# Altium PCB ATM1099C-0627-ssy-1.brd.PcbDoc (part 1 of 4) (continued)
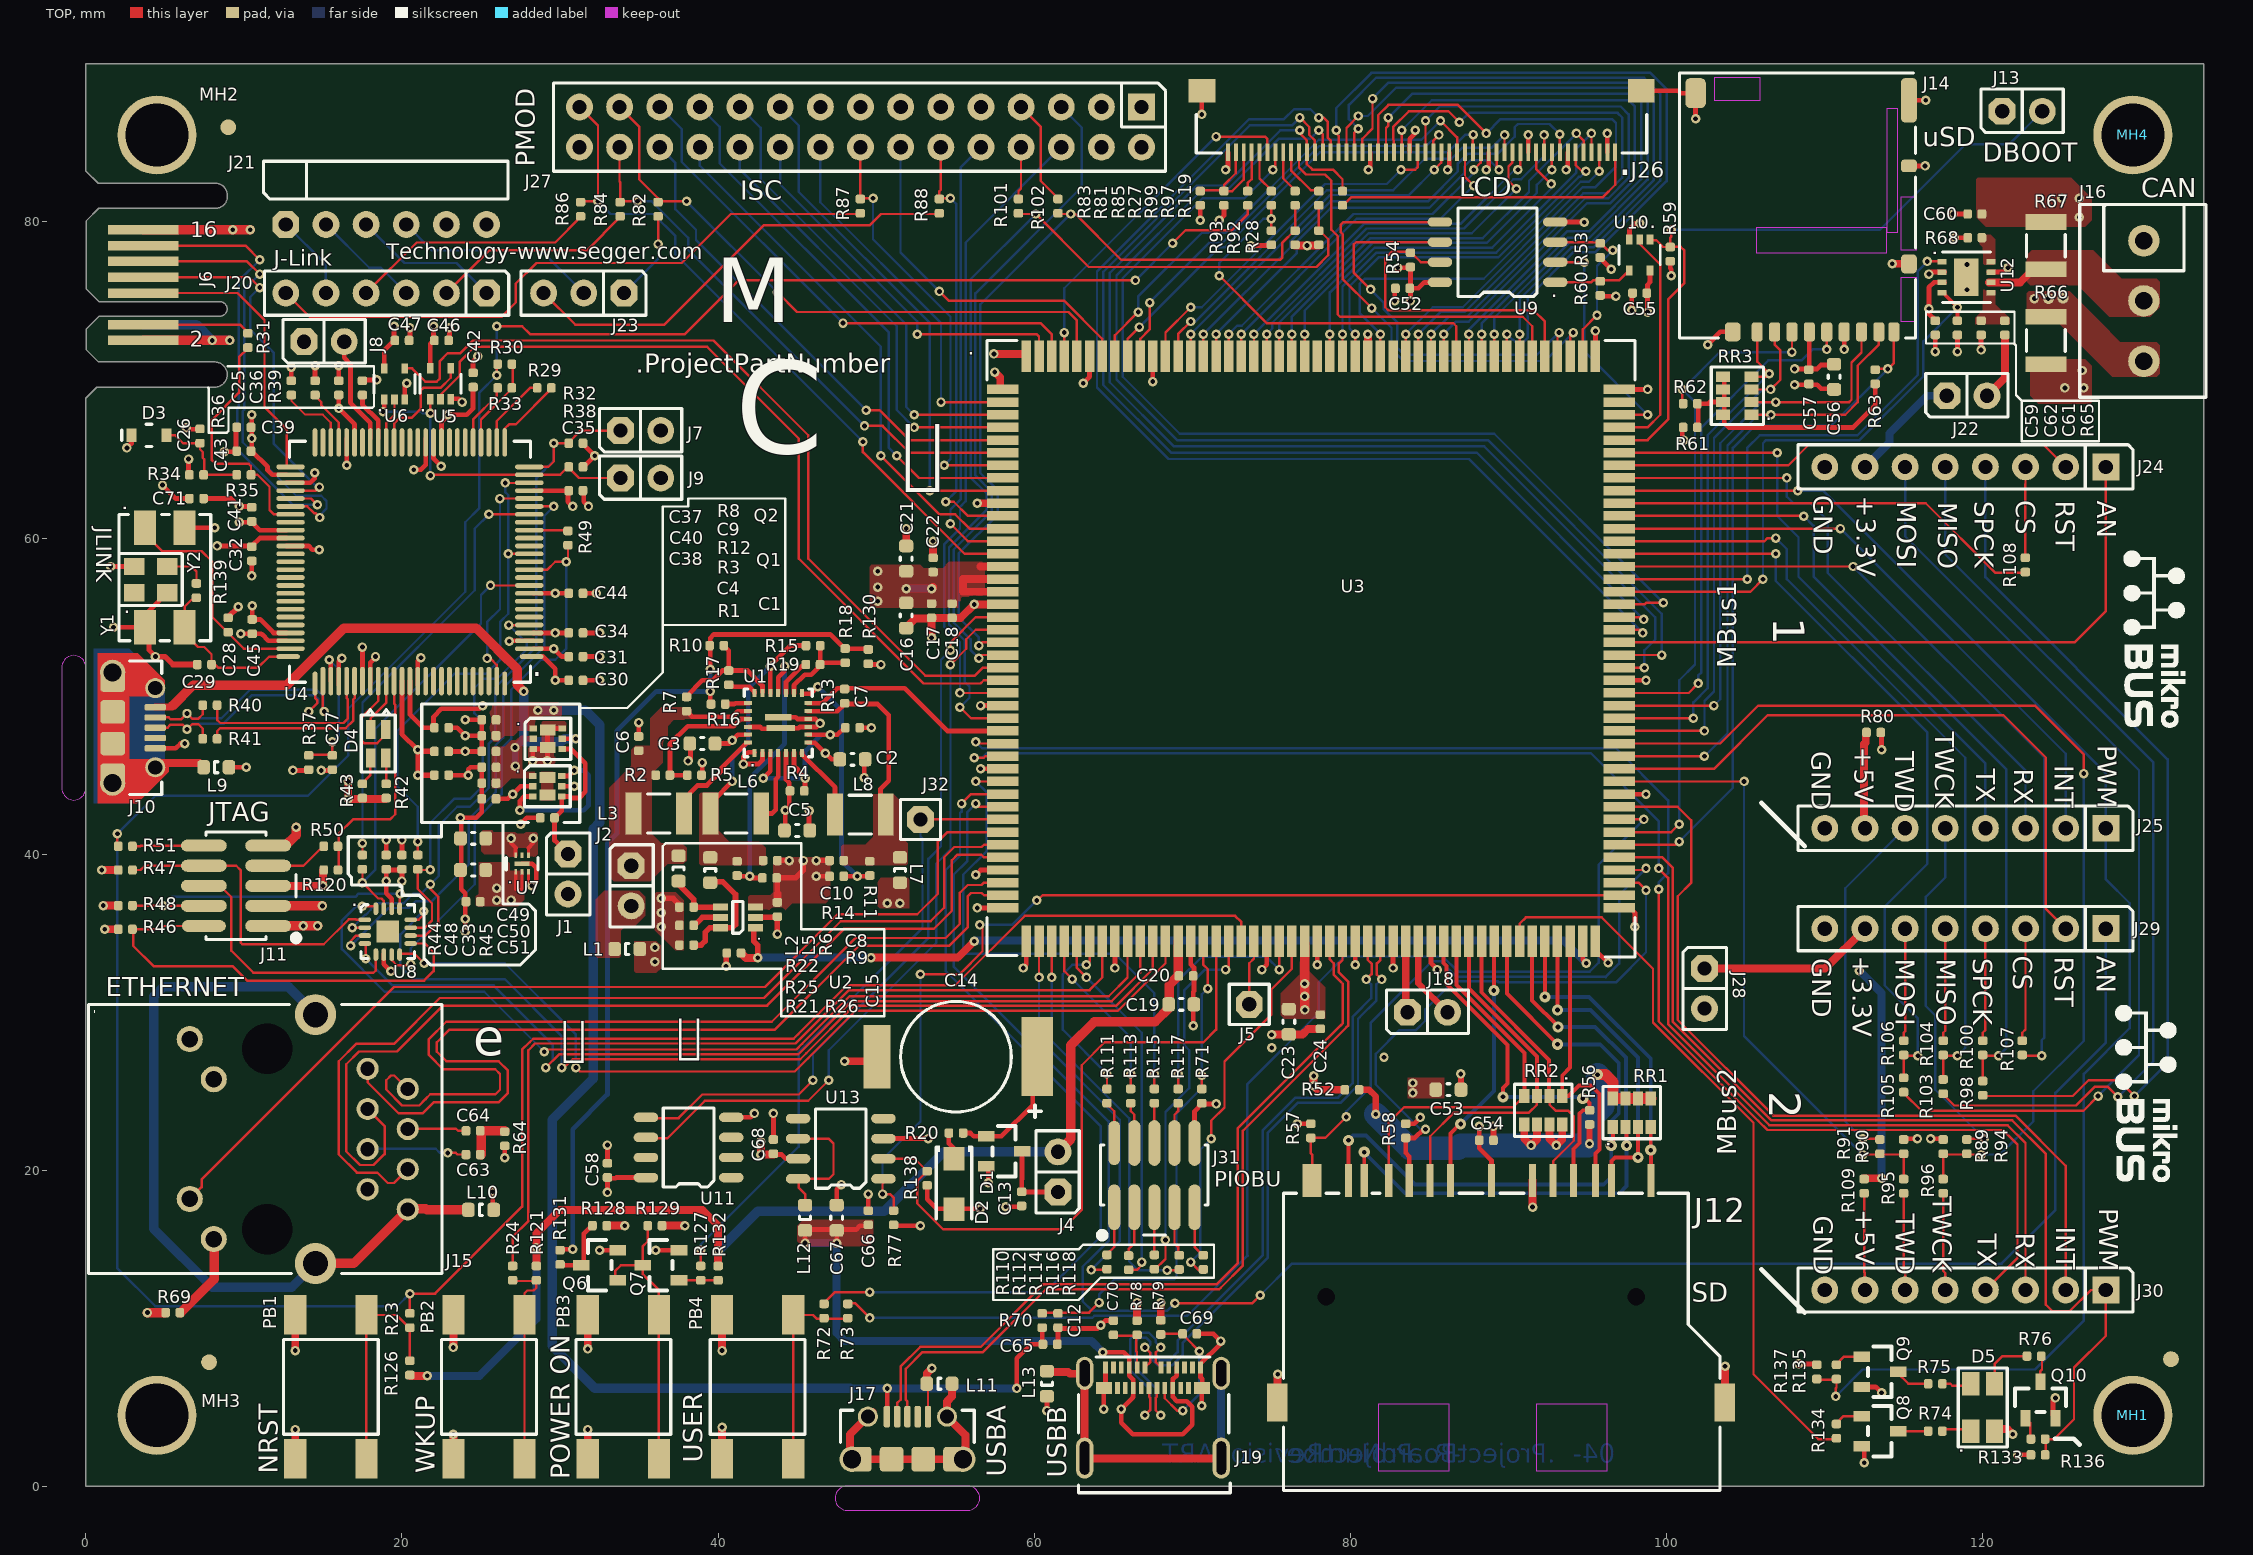
[diagram p0: TOP view]
## Footprints (in the part's own frame and the unit in brackets; to place one, negate y for a bottom-side part, rotate by r counter-clockwise, add the part's x,y. Pads: shape width x height; smd on the part's side, far side on the other; paste and mask are expansions set on the pad) (continued)
  silkscreen extent -20.5,-19.5 20.5,19.5, body extent -20,-19 20,19, height 1.21
OSCILLATOR_ASE [mm]
  rect 1.3x1.1 smd: 1(-1.05,-0.825) 2(1.05,-0.825) 3(1.05,0.825) 4(-1.05,0.825)
  silkscreen extent -2,-1.65 2,1.65, body extent -1.7,-1.35 1.7,1.35, height 1
PLCC-4_CLV1A-FKB [mm] "PLCC4 3 in 1 SMD LED"
  rect 1.5x1.1 smd: 1(-1.5,0.75) 2(-1.5,-0.75) 3(1.5,-0.75) 4(1.5,0.75)
  silkscreen extent -2.5,-1.55 2.5,1.55, body extent -1.75,-1.4 1.75,1.4, height 1.9
QFN-16_3X3_EP1.4X1.4 [mm] "QFN 16 pin P=0.5mm, L=3mm, W=3mm, H=0.9mm"
  oval 0.8x0.3 smd mask+0.05: 1(-1.45,0.75) 2(-1.45,0.25) 3(-1.45,-0.25) 4(-1.45,-0.75) 9(1.45,-0.75) 10(1.45,-0.25) 11(1.45,0.25) 12(1.45,0.75)
  oval 0.3x0.8 smd mask+0.05: 5(-0.75,-1.45) 6(-0.25,-1.45) 7(0.25,-1.45) 8(0.75,-1.45) 13(0.75,1.45) 14(0.25,1.45) 15(-0.25,1.45) 16(-0.75,1.45)
  rect 1.4x1.4 smd: 17(0,0)
  silkscreen extent -1.7,-1.7 1.7,1.7, body extent -1.5,-1.5 1.5,1.5, height 0.9
RES_C_0402 [mm] "Chip Resistor, 2-Leads, Body 1.0x0.5mm, IPC Medium Density"
  rrect50% 0.55x0.6 smd: 1(-0.45,0) 2(0.45,0)
  body extent -0.5,-0.3 0.5,0.3, height 0.2
RES_C_1210 [mm] "Chip Resistor, 2-Leads, Body 3.2x2.5mm, IPC Medium Density"
  rect 1x2.6 smd: 1(-1.5,0) 2(1.5,0)
  silkscreen extent -0.7,-1.22 0.7,1.23, body extent -1.55,-1.3 1.55,1.3, height 0.57
RES_C_CAV_0603X4 [mm]
  rect 0.9x0.65 smd: 1(-0.9,1.2) 2(-0.9,0.4) 3(-0.9,-0.4) 4(-0.9,-1.2) 5(0.9,-1.2) 6(0.9,-0.4) 7(0.9,0.4) 8(0.9,1.2)
  silkscreen extent -1.65,-1.83 1.65,1.83, body extent -0.92,-1.68 0.92,1.68, height 0.7
SC-70-6 [mm]
  rect 0.45x0.95 smd: 1(-0.65,-1.1) 2(0,-1.1) 3(0.65,-1.1) 4(0.65,1.1) 5(0,1.1) 6(-0.65,1.1)
  silkscreen extent -1,-0.33 1,0.33, body extent -1,-1.05 1,1.05, height 0.92
SOD-123FL [mm]
  rect 1.5x1.3 smd: 1(-1.6,0) 2(1.6,0)
  silkscreen extent -2.2,-1.15 2.45,1.15, body extent -1.93,-0.85 1.93,0.85, height 1.43
SOD-323 [mm] "Molded Diode, 2-Leads, Body 1.8x1.4mm, IPC Medium Density"
  rect 0.63x0.83 smd: 1(-1.115,0) 2(1.115,0)
  silkscreen extent -0.17,-0.7 1.73,0.7, body extent -1.3,-0.68 1.3,0.67, height 1.1
SOIC-8 [mm] "SOIC, 8-Leads, Overall 4.9x6mm, Pitch 1.27mm, IPC Medium Density"
  oval 1.55x0.6 smd: 1(-2.7,1.905) 2(-2.7,0.635) 3(-2.7,-0.635) 4(-2.7,-1.905) 5(2.7,-1.905) 6(2.7,-0.635) 7(2.7,0.635) 8(2.7,1.905)
  silkscreen extent -1.6,-2.5 1.6,2.5, body extent -3.01,-2.5 3.01,2.5, height 1.75
SOIJ-8 [mm] "SOIC, 8-Leads, Overall 4.9x6mm, Pitch 1.27mm, IPC Medium Density"
  oval 1.55x0.6 smd: 1(-3.65,1.905) 2(-3.65,0.635) 3(-3.65,-0.635) 4(-3.65,-1.905) 5(3.65,-1.905) 6(3.65,-0.635) 7(3.65,0.635) 8(3.65,1.905)
  silkscreen extent -2.5,-2.8 2.5,2.8, body extent -4.05,-2.73 4.05,2.73, height 1.75
SOT-23-3 [mm]
  rect 0.65x1.05 smd: 1(-0.95,-1.15) 2(0.95,-1.15) 3(0,1.15)
  silkscreen extent -1.6,-0.75 1.6,0.72, body extent -1.5,-1.25 1.5,1.25, height 1.09
SOT-23-3_REVERSED [mm]
  rect 0.65x1.05 smd: 1(0,1.15) 2(0.95,-1.15) 3(-0.95,-1.15)
  silkscreen extent -1.6,-0.75 1.6,0.72, body extent -1.5,-1.25 1.5,1.25, height 1.09
SOT-353 [mm]
  rect 0.42x0.65 smd paste+0: 1(-0.65,-0.98)
  rect 0.42x0.65 smd: 2(0,-0.98) 3(0.65,-0.98) 4(0.65,0.98) 5(-0.65,0.98)
  silkscreen extent -1.3,-0.6 1.3,0.6, body extent -1.1,-1.2 1.1,1.2, height 1.1
SW_SMD_6mmX6mm_TL3301 [mm]
  rect 2.5x1.4 smd: 1(-4.55,2.25) 2(4.55,2.25) 3(-4.55,-2.25) 4(4.55,-2.25)
  silkscreen extent -3,-3 3,3, body extent -5,-3 5,3, height 5.12
U-DFN2020-6_2.0x2.0 [mm]
  rect 0.47x0.4 smd mask+0.05: 1(-0.915,0.65) 2(-0.915,0) 3(-0.915,-0.65) 4(0.915,-0.65) 5(0.915,0) 6(0.915,0.65)
  rect 1x0.7 smd: 7(0,0.55) 8(0,-0.55)
  silkscreen extent -1.45,-1.3 1.45,1.3, body extent -1.05,-1 1.05,1, height 0.55
VQFN-26_4X4_MIC23451 [mm]
  rect 0.5x0.25 smd mask+0.075: 1(-1.9,1.5) 2(-1.9,1) 3(-1.9,0.5) 4(-1.9,0) 5(-1.9,-0.5) 6(-1.9,-1) 7(-1.9,-1.5) 14(1.9,-1.5) 15(1.9,-1) 16(1.9,-0.5) 17(1.9,0) 18(1.9,0.5) 19(1.9,1) 20(1.9,1.5)
  rect 0.4x1.8 smd mask+0.075: 1(-0.325,-0.15)
  rect 0.25x0.5 smd mask+0.075: 8(-1.25,-1.9) 9(-0.75,-1.9) 10(-0.25,-1.9) 11(0.25,-1.9) 12(0.75,-1.9) 13(1.25,-1.9) 21(1.25,1.9) 22(0.75,1.9) 23(0.25,1.9) 24(-0.25,1.9) 25(-0.75,1.9) 26(-1.25,1.9)
  rect 0.4x1.7 smd mask+0.075: 11(0.35,0)
  silkscreen extent -2.15,-2.15 2.15,2.15, body extent -2.05,-2.05 2.05,2.05, height 0.9

## Part data
C1 C4 C9 C12 C13 C15 C17 C18 C20 C22 C24 C30 C31 C32 C34 C35 C36 C37 C39 C40 C41 C42 C43 C44 C45 C46 C47 C48 C51 C52 C54 C55 C57 C58 C59 C61 C63 C64 C66 C68 C71: library part CAP1463, "Capacitor", Manufacturer 1="TDK Corporation", Manufacturer Part Number 1=C1005X7R1H104K050BB, Operating Temperature="-55C to +125C", Package=0402, Supplier Part Number 1=445-5932-1-ND, Temperature Coeffcient=X7R, Tolerance=10%, Voltage=50V, Category=Capacitor, ComponentLink1Description="SVN Datasheet", ComponentLink1URL=https://chn-vm-apps.microchip.com/mchprepo/parts/Datasheets/TDKMLCCCapRange.pdf, ComponentLink2Description="Local Datasheet", ComponentLink2URL=C:\ALTIUM_WORK\00001_MCHP-CDB\Datasheets\TDKMLCCCapRange.pdf, ComponentLink3Description="Open Symbol", ComponentLink3URL="C:\ALTIUM_WORK\00001_MCHP-CDB\Library\LibraryRefs\Capacitor NP.SchLib", ComponentLink4Description="Open Footprint", ComponentLink4URL=C:\ALTIUM_WORK\00001_MCHP-CDB\Library\Footprints\CAP_C_0402.PcbLib, ComponentLink5Description="Open Footprint 2", ComponentLink6Description="Open Footprint 3", ComponentLink7Description="Open Footprint 4", Description_="CAP CER 0.1uF 50V 10% X7R SMD 0402", Dev Tools Status=Production, MCHP-ID=CAP1463, Owner="Jamus Griego", Populated=YES, Quantity Override=1, Revision=1, Status="MCL Design", Supplier 1=Digi-Key, Symbol="Capacitor NP", Type=Ceramic
C2 C3 C5 C53 C56 C67: library part CAP1650, "Capacitor", Manufacturer 1="TDK Corporation", Manufacturer Part Number 1=C1608X5R1E106M080AC, Operating Temperature="-55C to +85C", Package=0603, Supplier Part Number 1=2521968, Temperature Coeffcient=X5R, Tolerance=20%, Voltage=25V, Category=Capacitor, ComponentLink1Description="SVN Datasheet", ComponentLink1URL=https://chn-vm-apps.microchip.com/mchprepo/parts/Datasheets/1913358.pdf, ComponentLink2Description="Local Datasheet", ComponentLink2URL=C:\ALTIUM_WORK\00001_MCHP-CDB\Datasheets\1913358.pdf, ComponentLink3Description="Open Symbol", ComponentLink3URL="C:\ALTIUM_WORK\00001_MCHP-CDB\Library\LibraryRefs\Capacitor NP.SchLib", ComponentLink4Description="Open Footprint", ComponentLink4URL=C:\ALTIUM_WORK\00001_MCHP-CDB\Library\Footprints\CAP_C_0603.PcbLib, ComponentLink5Description="Open Footprint 2", ComponentLink6Description="Open Footprint 3", ComponentLink7Description="Open Footprint 4", Description_="CAP CER 10uF 25V 20% X5R SMD 0603", Dev Tools Status=Design, MCHP-ID=CAP1650, Owner="Razvan Cristescu", Populated=YES, Quantity Override=1, Revision=A, Status="MCL Design", Supplier 1=Farnell, Symbol="Capacitor NP", Type=Ceramic
C6 C7 C8 C10 C33 C38 C60: library part CAP1684, "Capacitor", Manufacturer 1="TDK Corporation", Manufacturer Part Number 1=C1005X5R1A475K050BC, Operating Temperature="-55C to 85C", Package=0402, Supplier Part Number 1=445-13820-1-ND, Temperature Coeffcient=X5R, Tolerance=10%, Voltage=10V, Category=Capacitor, ComponentLink1Description="SVN Datasheet", ComponentLink2Description="Local Datasheet", ComponentLink3Description="Open Symbol", ComponentLink3URL="C:\ALTIUM_WORK\00001_MCHP-CDB\Library\LibraryRefs\Capacitor NP.SchLib", ComponentLink4Description="Open Footprint", ComponentLink4URL=C:\ALTIUM_WORK\00001_MCHP-CDB\Library\Footprints\CAP_C_0402.PcbLib, ComponentLink5Description="Open Footprint 2", ComponentLink6Description="Open Footprint 3", ComponentLink7Description="Open Footprint 4", Description_="CAP CER 4.7uF 10V 10% X5R SMD 0402", Dev Tools Status=Design, MCHP-ID=CAP1684, Owner="Jesus Aviles", Populated=YES, Quantity Override=1, Revision=B, Status="MCL Design", Supplier 1=Digi-Key, Symbol="Capacitor NP", Type=Ceramic
C14: library part CAP1762, "Capacitor", Manufacturer 1="Elna America", Manufacturer Part Number 1=DSK-3R3H204T614-H2L, Operating Temperature="-10C to +60C", Package=P8.3L11.7D6.8H1.8, Supplier Part Number 1=604-1147-1-ND, Tolerance="-20%, +80%", Voltage=3.3V, Category=Capacitor, ComponentLink1Description="SVN Datasheet", ComponentLink1URL=https://chn-vm-apps.microchip.com/mchprepo/parts/Datasheets/ds_e.pdf, ComponentLink2Description="Local Datasheet", ComponentLink2URL=C:\ALTIUM_WORK\00001_MCHP-CDB\Datasheets\ds_e.pdf, ComponentLink3Description="Open Symbol", ComponentLink3URL="C:\ALTIUM_WORK\00001_MCHP-CDB\Library\LibraryRefs\Capacitor POL.SchLib", ComponentLink4Description="Open Footprint", ComponentLink4URL=C:\ALTIUM_WORK\00001_MCHP-CDB\Library\Footprints\CAP_AX_P8.3L11.7D6.8H1.8.PcbLib, ComponentLink5Description="Open Footprint 2", ComponentLink6Description="Open Footprint 3", ComponentLink7Description="Open Footprint 4", Description_="CAP SUPERCAP 200mF 3.3V -20% +80% 200Ohm AX P8.3L11.7D6.8H1.8", Dev Tools Status=Design, ESR=200R, MCHP-ID=CAP1762, Owner="Alexandru Chiser - M19201", Populated=YES, Quantity Override=1, Revision=A, Status="MCL Design", Supplier 1=Digi-Key, Symbol="Capacitor POL", Type=Supercap
C16 C19 C21 C23 C49 C50: library part CAP0597, "Capacitor", Manufacturer 1=TDK, Manufacturer Part Number 1=C1608X5R1C225K, Operating Temperature="-55C to +85C", Package=0603, Supplier Part Number 1=445-5157-1-ND, Temperature Coeffcient=X5R, Tolerance=10%, Voltage=16V, Category=Capacitor, ComponentLink1Description="SVN Datasheet", ComponentLink1URL=https://chn-vm-apps.microchip.com/mchprepo/parts/Datasheets/general_B11.pdf, ComponentLink2Description="Local Datasheet", ComponentLink2URL=C:\ALTIUM_WORK\00001_MCHP-CDB\Datasheets\general_B11.pdf, ComponentLink3Description="Open Symbol", ComponentLink3URL="C:\ALTIUM_WORK\00001_MCHP-CDB\Library\LibraryRefs\Capacitor NP.SchLib", ComponentLink4Description="Open Footprint", ComponentLink4URL=C:\ALTIUM_WORK\00001_MCHP-CDB\Library\Footprints\CAP_C_0603.PcbLib, ComponentLink5Description="Open Footprint 2", ComponentLink6Description="Open Footprint 3", ComponentLink7Description="Open Footprint 4", Description_="CAP CER 2.2uF 16V 10% X5R SMD 0603", Dev Tools Status=Production, MCHP-ID=CAP0597, Quantity Override=1, Revision=2, Status="MCL Design", Supplier 1=Digi-Key, Symbol="Capacitor NP", Type=Ceramic
  C16 C19 C21 C23: Populated=DNP
  C49 C50: Populated=Yes
C25 C26: library part CAP0278, "Capacitor", Manufacturer 1=KEMET, Manufacturer Part Number 1=C0402C103K4RACTU, Manufacturer Part Number 2=C0402C103K4RAC, Operating Temperature="-55C to +125C", Package=0402, Supplier Part Number 1=399-1038-1-ND, Temperature Coeffcient=X7R, Tolerance=10%, Voltage=16V, Category=Capacitor, ComponentLink1Description="SVN Datasheet", ComponentLink1URL=https://chn-vm-apps.microchip.com/mchprepo/parts/Datasheets/KEM_C1002_X7R_SMD.pdf, ComponentLink2Description="Local Datasheet", ComponentLink2URL=C:\ALTIUM_WORK\00001_MCHP-CDB\Datasheets\KEM_C1002_X7R_SMD.pdf, ComponentLink3Description="Open Symbol", ComponentLink3URL="C:\ALTIUM_WORK\00001_MCHP-CDB\Library\LibraryRefs\Capacitor NP.SchLib", ComponentLink4Description="Open Footprint", ComponentLink4URL=C:\ALTIUM_WORK\00001_MCHP-CDB\Library\Footprints\CAP_C_0402.PcbLib, ComponentLink5Description="Open Footprint 2", ComponentLink6Description="Open Footprint 3", ComponentLink7Description="Open Footprint 4", Description_="CAP CER 10000pF 16V 10% X7R SMD 0402", Dev Tools Status=Production, Manufacturer 2=KEMET, MCHP-ID=CAP0278, Populated=YES, Quantity Override=1, Revision=1, Status="MCL Design", Supplier 1=Digi-Key, Supplier 2=KEMET, Supplier Part Number 2=C0402C103K4RAC, Symbol="Capacitor NP", Type=Ceramic
C27: library part CAP0613, "Capacitor", Manufacturer 1=Murata, Manufacturer Part Number 1=GRM1555C1H100JZ01D, Manufacturer Part Number 2=GJM1555C1H100JB01D, Manufacturer Part Number 3=GRM1555C1H100JA01D, Operating Temperature="-55C to +125C", Package=0402, Supplier Part Number 1=490-1278-1-ND, Temperature Coeffcient=NP0, Tolerance=5%, Voltage=50V, Category=Capacitor, ComponentLink1Description="SVN Datasheet", ComponentLink1URL=https://chn-vm-apps.microchip.com/mchprepo/parts/Datasheets/L0005E.pdf, ComponentLink2Description="Local Datasheet", ComponentLink2URL=C:\ALTIUM_WORK\00001_MCHP-CDB\Datasheets\L0005E.pdf, ComponentLink3Description="Open Symbol", ComponentLink3URL="C:\ALTIUM_WORK\00001_MCHP-CDB\Library\LibraryRefs\Capacitor NP.SchLib", ComponentLink4Description="Open Footprint", ComponentLink4URL=C:\ALTIUM_WORK\00001_MCHP-CDB\Library\Footprints\CAP_C_0402.PcbLib, ComponentLink5Description="Open Footprint 2", ComponentLink6Description="Open Footprint 3", ComponentLink7Description="Open Footprint 4", Description_="CAP CER 10pF 50V 5% NP0 SMD 0402", Dev Tools Status=Production, Manufacturer 2=Murata, Manufacturer 3=Murata, MCHP-ID=CAP0613, Populated=Yes, Quantity Override=1, Revision=1, Status="MCL Design", Supplier 1=Digi-Key, Supplier 2=Digi-Key, Supplier 3=Digi-Key, Supplier Part Number 2=490-3113-2-ND, Supplier Part Number 3=490-5921-2-ND, Symbol="Capacitor NP", Type=Ceramic
C28 C29: library part CAP1379, "Capacitor", Manufacturer 1="Johanson Technology Inc", Manufacturer Part Number 1=500R07S8R2CV4T, Operating Temperature="-55C to 125C", Package=0402, Supplier Part Number 1=712-1293-1-ND, Temperature Coeffcient=NP0, Tolerance=0.25pF, Voltage=50V, Category=Capacitor, ComponentLink1Description="SVN Datasheet", ComponentLink1URL=https://chn-vm-apps.microchip.com/mchprepo/parts/Datasheets/JTI-CAT-MLCC-HighQ.pdf, ComponentLink2Description="Local Datasheet", ComponentLink2URL=C:\ALTIUM_WORK\00001_MCHP-CDB\Datasheets\JTI-CAT-MLCC-HighQ.pdf, ComponentLink3Description="Open Symbol", ComponentLink3URL="C:\ALTIUM_WORK\00001_MCHP-CDB\Library\LibraryRefs\Capacitor NP.SchLib", ComponentLink4Description="Open Footprint", ComponentLink4URL=C:\ALTIUM_WORK\00001_MCHP-CDB\Library\Footprints\CAP_C_0402.PcbLib, ComponentLink5Description="Open Footprint 2", ComponentLink6Description="Open Footprint 3", ComponentLink7Description="Open Footprint 4", Description_="CAP HiQ 8.2pF 50V 0.25pF NP0 3.04GHz SMD 0402", Dev Tools Status=Production, ESR=0.04R, MCHP-ID=CAP1379, Owner="Gabor Bihari", Populated=DNP, Quantity Override=1, Revision=1, Status="MCL Design", Supplier 1=Digikey, Symbol="Capacitor NP", Type=HiQ
C62: library part CAP0608, "Capacitor", Manufacturer 1=Murata, Manufacturer Part Number 1=GRM1555C1H150JA01D, Manufacturer Part Number 2=GRM1555C1H150JZ01D, Operating Temperature="-55C to +125C", Package=0402, Supplier Part Number 1=490-5888-2-ND, Temperature Coeffcient=NP0, Tolerance=5%, Voltage=50V, Category=Capacitor, ComponentLink1Description="SVN Datasheet", ComponentLink1URL=https://chn-vm-apps.microchip.com/mchprepo/parts/Datasheets/L0005E.pdf, ComponentLink2Description="Local Datasheet", ComponentLink2URL=C:\ALTIUM_WORK\00001_MCHP-CDB\Datasheets\L0005E.pdf, ComponentLink3Description="Open Symbol", ComponentLink3URL="C:\ALTIUM_WORK\00001_MCHP-CDB\Library\LibraryRefs\Capacitor NP.SchLib", ComponentLink4Description="Open Footprint", ComponentLink4URL=C:\ALTIUM_WORK\00001_MCHP-CDB\Library\Footprints\CAP_C_0402.PcbLib, ComponentLink5Description="Open Footprint 2", ComponentLink6Description="Open Footprint 3", ComponentLink7Description="Open Footprint 4", Description_="CAP CER 15pF 50V 5% NP0 SMD 0402", Dev Tools Status=Production, Manufacturer 2=Murata, MCHP-ID=CAP0608, Populated=Yes, Quantity Override=1, Revision=1, Status="MCL Design", Supplier 1=Digi-Key, Supplier 2=Digi-Key, Supplier Part Number 2=490-1280-1-ND, Symbol="Capacitor NP", Type=Ceramic
C65: library part CAP0364, "Capacitor", Manufacturer 1=Murata, Manufacturer Part Number 1=GRM1555C1H200JZ01D, Operating Temperature="-55C to +125C", Package=0402, Supplier Part Number 1=490-1282-1-ND, Temperature Coeffcient=C0G, Tolerance=5%, Voltage=50V, Category=Capacitor, ComponentLink1Description="SVN Datasheet", ComponentLink1URL=https://chn-vm-apps.microchip.com/mchprepo/parts/Datasheets/c02e.pdf, ComponentLink2Description="Local Datasheet", ComponentLink2URL=C:\ALTIUM_WORK\00001_MCHP-CDB\Datasheets\c02e.pdf, ComponentLink3Description="Open Symbol", ComponentLink3URL="C:\ALTIUM_WORK\00001_MCHP-CDB\Library\LibraryRefs\Capacitor NP.SchLib", ComponentLink4Description="Open Footprint", ComponentLink4URL=C:\ALTIUM_WORK\00001_MCHP-CDB\Library\Footprints\CAP_C_0402.PcbLib, ComponentLink5Description="Open Footprint 2", ComponentLink6Description="Open Footprint 3", ComponentLink7Description="Open Footprint 4", Description_="CAP CER 20pF 50V 5% C0G SMD 0402", Dev Tools Status=Production, MCHP-ID=CAP0364, Populated=YES, Quantity Override=1, Revision=0, Status="MCL Design", Supplier 1=Digi-Key, Symbol="Capacitor NP", Type=Ceramic
C69 C70: library part CAP1469, "Capacitor", Manufacturer 1="Murata Electronics North AmericaMurata Electronics North America", Manufacturer Part Number 1=GRM1555C1H331JA01D, Package=0402, Supplier Part Number 1=490-1295-1-ND, Tolerance=5%, Category=Capacitor, ComponentLink1Description="SVN Datasheet", ComponentLink1URL=https://chn-vm-apps.microchip.com/mchprepo/parts/Datasheets/partnumbering_e_01.pdf, ComponentLink2Description="Local Datasheet", ComponentLink2URL=C:\ALTIUM_WORK\00001_MCHP-CDB\Datasheets\partnumbering_e_01.pdf, ComponentLink3Description="Open Symbol", ComponentLink3URL="C:\ALTIUM_WORK\00001_MCHP-CDB\Library\LibraryRefs\Capacitor NP.SchLib", ComponentLink4Description="Open Footprint", ComponentLink4URL=C:\ALTIUM_WORK\00001_MCHP-CDB\Library\Footprints\CAP_C_0402.PcbLib, ComponentLink5Description="Open Footprint 2", ComponentLink6Description="Open Footprint 3", ComponentLink7Description="Open Footprint 4", Description_="CAP CER 330pF 50V 5% NP0 SMD 0402", Dev Tools Status=Production, MCHP-ID=CAP1469, Owner="Jamus Griego", Populated=YES, Quantity Override=1, Revision=1, Status="MCL Design", Supplier 1=Digi-Key, Symbol="Capacitor NP", Type=Ceramic
D1: library part DIODE0056, Forward Current=200mA, Manufacturer 1="Diodes Incorporated", Manufacturer 2=Fairchild, Manufacturer 4=STMicroelectronics, Manufacturer Part Number 1=BAT54CTA, Manufacturer Part Number 2=BAT54C, Manufacturer Part Number 3=UBAT54CTA, Operating Temperature="-55C to +150C", Package=SOT-23-3, Power=330mW, Reverse Current=2.5uA, Reverse Voltage=30V, Supplier Part Number 1=BAT54CTR-ND, Category=Diode, ComponentLink1Description="SVN Datasheet", ComponentLink1URL=https://chn-vm-apps.microchip.com/mchprepo/parts/Datasheets/bat54srs.pdf, ComponentLink2Description="Local Datasheet", ComponentLink2URL=C:\ALTIUM_WORK\00001_MCHP-CDB\Datasheets\bat54srs.pdf, ComponentLink3Description="Open Symbol", ComponentLink3URL="C:\ALTIUM_WORK\00001_MCHP-CDB\Library\LibraryRefs\Diode Schottky Dual CK-1.SchLib", ComponentLink4Description="Open Footprint", ComponentLink4URL=C:\ALTIUM_WORK\00001_MCHP-CDB\Library\Footprints\SOT-23-3_REVERSED.PcbLib, ComponentLink5Description="Open Footprint 2", ComponentLink6Description="Open Footprint 3", ComponentLink7Description="Open Footprint 4", Description_="DIO SCTKYARR BAT54C 530mV 200mA 30V SOT-23-3", Dev Tools Status=Production, Manufacturer 3="Diodes Incorporated", Manufacturer Part Number 4=BAT54C, MCHP-ID=DIODE0056, Populated=Yes, Quantity Override=1, Revision=1, Status="MCL Design", Supplier 1=Digi-Key, Supplier 2=Digi-Key, Supplier 3="Diodes Incorporated", Supplier 4=STMicroelectronics, Supplier Part Number 2=BAT54CFSTR-ND, Supplier Part Number 3=UBAT54CTA, Supplier Part Number 4=BAT54C, Symbol="Diode Schottky Dual CK-1", Type="Schottky Array"
D2: library part DIODE1357, "DIO SCTKY RB160M-60TR 550mV 1A 60V SMD SOD-123F", Forward Current=1A, Manufacturer 1="Rohm Semiconductor", Manufacturer Part Number 1=RB160M-60TR, Operating Temperature="-40C to +150C", Package=SOD-123-2, Power=1W, Reverse Current=50uA, Reverse Voltage=60V, Supplier Part Number 1=755-RB160M-60TR, Category=Diode, ComponentLink1Description="SVN Datasheet", ComponentLink1URL=https://chn-vm-apps.microchip.com/mchprepo/parts/Datasheets/rb160m-60-210199.pdf, ComponentLink2Description="Local Datasheet", ComponentLink2URL=C:\ALTIUM_WORK\00001_MCHP-CDB\Datasheets\rb160m-60-210199.pdf, ComponentLink3Description="Open Symbol", ComponentLink3URL="C:\ALTIUM_WORK\00001_MCHP-CDB\Library\LibraryRefs\Diode Schottky.SchLib", ComponentLink4Description="Open Footprint", ComponentLink4URL=C:\ALTIUM_WORK\00001_MCHP-CDB\Library\Footprints\SOD-123FL.PcbLib, ComponentLink5Description="Open Footprint 2", ComponentLink6Description="Open Footprint 3", ComponentLink7Description="Open Footprint 4", Description_="DIO SCTKY RB160M-60TR 550mV 1A 60V SMD SOD-123F", Dev Tools Status=Design, MCHP-ID=DIODE1357, Owner="Dragos Danaila", Populated=YES, Quantity Override=1, Reverse Recovery Time=11.7ns, Revision=A, Status="MCL Design", Supplier 1=Mouser, Symbol="Diode Schottky"
D3: library part DIODE0096, "DIO RECT 1N4148 855mV 300mA 75V SOD-323", Forward Current=300mA, Manufacturer 1="Diodes Incorporated", Manufacturer Part Number 1=1N4148WS-7-F, Manufacturer Part Number 2=1N4148WS-7, Operating Temperature="-65C to +150C", Package=SOD-323, Power=200mW, Reverse Current=50uA, Reverse Voltage=75V, Supplier Part Number 1=1N4148WS-FDICT-ND, Category=Diode, ComponentLink1Description="SVN Datasheet", ComponentLink1URL=https://chn-vm-apps.microchip.com/mchprepo/parts/Datasheets/ds30097.pdf, ComponentLink2Description="Local Datasheet", ComponentLink2URL=C:\ALTIUM_WORK\00001_MCHP-CDB\Datasheets\ds30097.pdf, ComponentLink3Description="Open Symbol", ComponentLink3URL="C:\ALTIUM_WORK\00001_MCHP-CDB\Library\LibraryRefs\Diode Single.SchLib", ComponentLink4Description="Open Footprint", ComponentLink4URL=C:\ALTIUM_WORK\00001_MCHP-CDB\Library\Footprints\SOD-323.PcbLib, ComponentLink5Description="Open Footprint 2", ComponentLink6Description="Open Footprint 3", ComponentLink7Description="Open Footprint 4", Description_="DIO RECT 1N4148 855mV 300mA 75V SOD-323", Dev Tools Status=Production, Manufacturer 2="Diodes Incorporated", MCHP-ID=DIODE0096, Populated=Yes, Quantity Override=1, Revision=1, Status="MCL Design", Supplier 1=Digi-Key, Supplier 2=Digi-Key, Supplier Part Number 2=1N4148WSDITR-ND, Symbol="Diode Single", Type="Rectifier Single"
D4: library part DIODE1110, "LED", Forward Current=30mA, Manufacturer 1="Kingbright Corp", Manufacturer Part Number 1=APHBM2012SURKCGKC, Operating Temperature="-40C to +85C", Package=0805, Power=75mW, Reverse Current=10uA, Supplier Part Number 1=754-1093-1-ND, Category=Diode, ComponentLink1Description="SVN Datasheet", ComponentLink1URL=https://chn-vm-apps.microchip.com/mchprepo/parts/Datasheets/APHBM2012SURKCGKC.pdf, ComponentLink2Description="Local Datasheet", ComponentLink2URL=C:\ALTIUM_WORK\00001_MCHP-CDB\Datasheets\APHBM2012SURKCGKC.pdf, ComponentLink3Description="Open Symbol", ComponentLink3URL="C:\ALTIUM_WORK\00001_MCHP-CDB\Library\LibraryRefs\LED DUAL 4 PIN.SchLib", ComponentLink4Description="Open Footprint", ComponentLink4URL=C:\ALTIUM_WORK\00001_MCHP-CDB\Library\Footprints\LED_DUAL_SMD_2x1.25mm.PcbLib, ComponentLink5Description="Open Footprint 2", ComponentLink6Description="Open Footprint 3", ComponentLink7Description="Open Footprint 4", Description_="DIO LED BI RED, GREEN 1.95V, 2.1V 30mA 0805", Dev Tools Status=Production, MCHP-ID=DIODE1110, Owner="Bogdan P (M91398)", Populated=Yes, Quantity Override=1, Revision=0, Status="MCL Design", Supplier 1=Digi-Key, Symbol="LED DUAL 4 PIN", Type="LED Bicolor"
D5: library part DIODE1214, Forward Current="20mA, 20mA, 20mA", Manufacturer 1="Cree Inc", Manufacturer Part Number 1=CLV1A-FKB-CK1N1G1BB7R4S3, Operating Temperature="-40C - +100C", Package=4-PLCC, Power="130mW, 100mW, 100mW", Reverse Current=10uA, Reverse Voltage=5V, Supplier Part Number 1=CLV1A-FKB-CK1N1G1BB7R4S3CT-ND, Category=Diode, ComponentLink1Description="SVN Datasheet", ComponentLink1URL=https://chn-vm-apps.microchip.com/mchprepo/parts/Datasheets/CLV1A-FKB_Rev5, ComponentLink2Description="Local Datasheet", ComponentLink2URL=C:\ALTIUM_WORK\00001_MCHP-CDB\Datasheets\CLV1A-FKB_Rev5, ComponentLink3Description="Open Symbol", ComponentLink3URL=C:\ALTIUM_WORK\00001_MCHP-CDB\Library\LibraryRefs\LED_RGB_CLV1A.SchLib, ComponentLink4Description="Open Footprint", ComponentLink4URL=C:\ALTIUM_WORK\00001_MCHP-CDB\Library\Footprints\PLCC-4_CLV1A-FKB.PcbLib, ComponentLink5Description="Open Footprint 2", ComponentLink6Description="Open Footprint 3", ComponentLink7Description="Open Footprint 4", Description_="DIO LED TRI RED, GREEN, BLUE 2V, 3.2V, 3.2V 20mA, 20mA, 20mA SMD 4-PLCC", Dev Tools Status=Design, MCHP-ID=DIODE1214, Owner="Randolph Sobrepena", Populated=YES, Quantity Override=1, Revision=1, Status="MCL Design", Supplier 1=Digi-Key, Symbol=LED_RGB_CLV1A, Type="LED Tricolor"